# Altium PCB e-puck3-coreboard.PcbDoc (part 7 of 7)
Units mm, origin at the board's own origin, x right, y up, seen from the top; angles counter-clockwise.
Board outline 42.5 x 39.5 mm, 10 copper layers (Top Layer, Top GND Plane, Top Mid Layer 1, Top Mid Layer 2, Mid GND Plane, Bot Mid Layer 3, Bot Mid Layer 2, Bot Mid Layer 1, Bot GND Plane, Bottom Layer), stack 1.366 mm thick; 292 components, 337 nets, 1581 pads, 7018 vias.
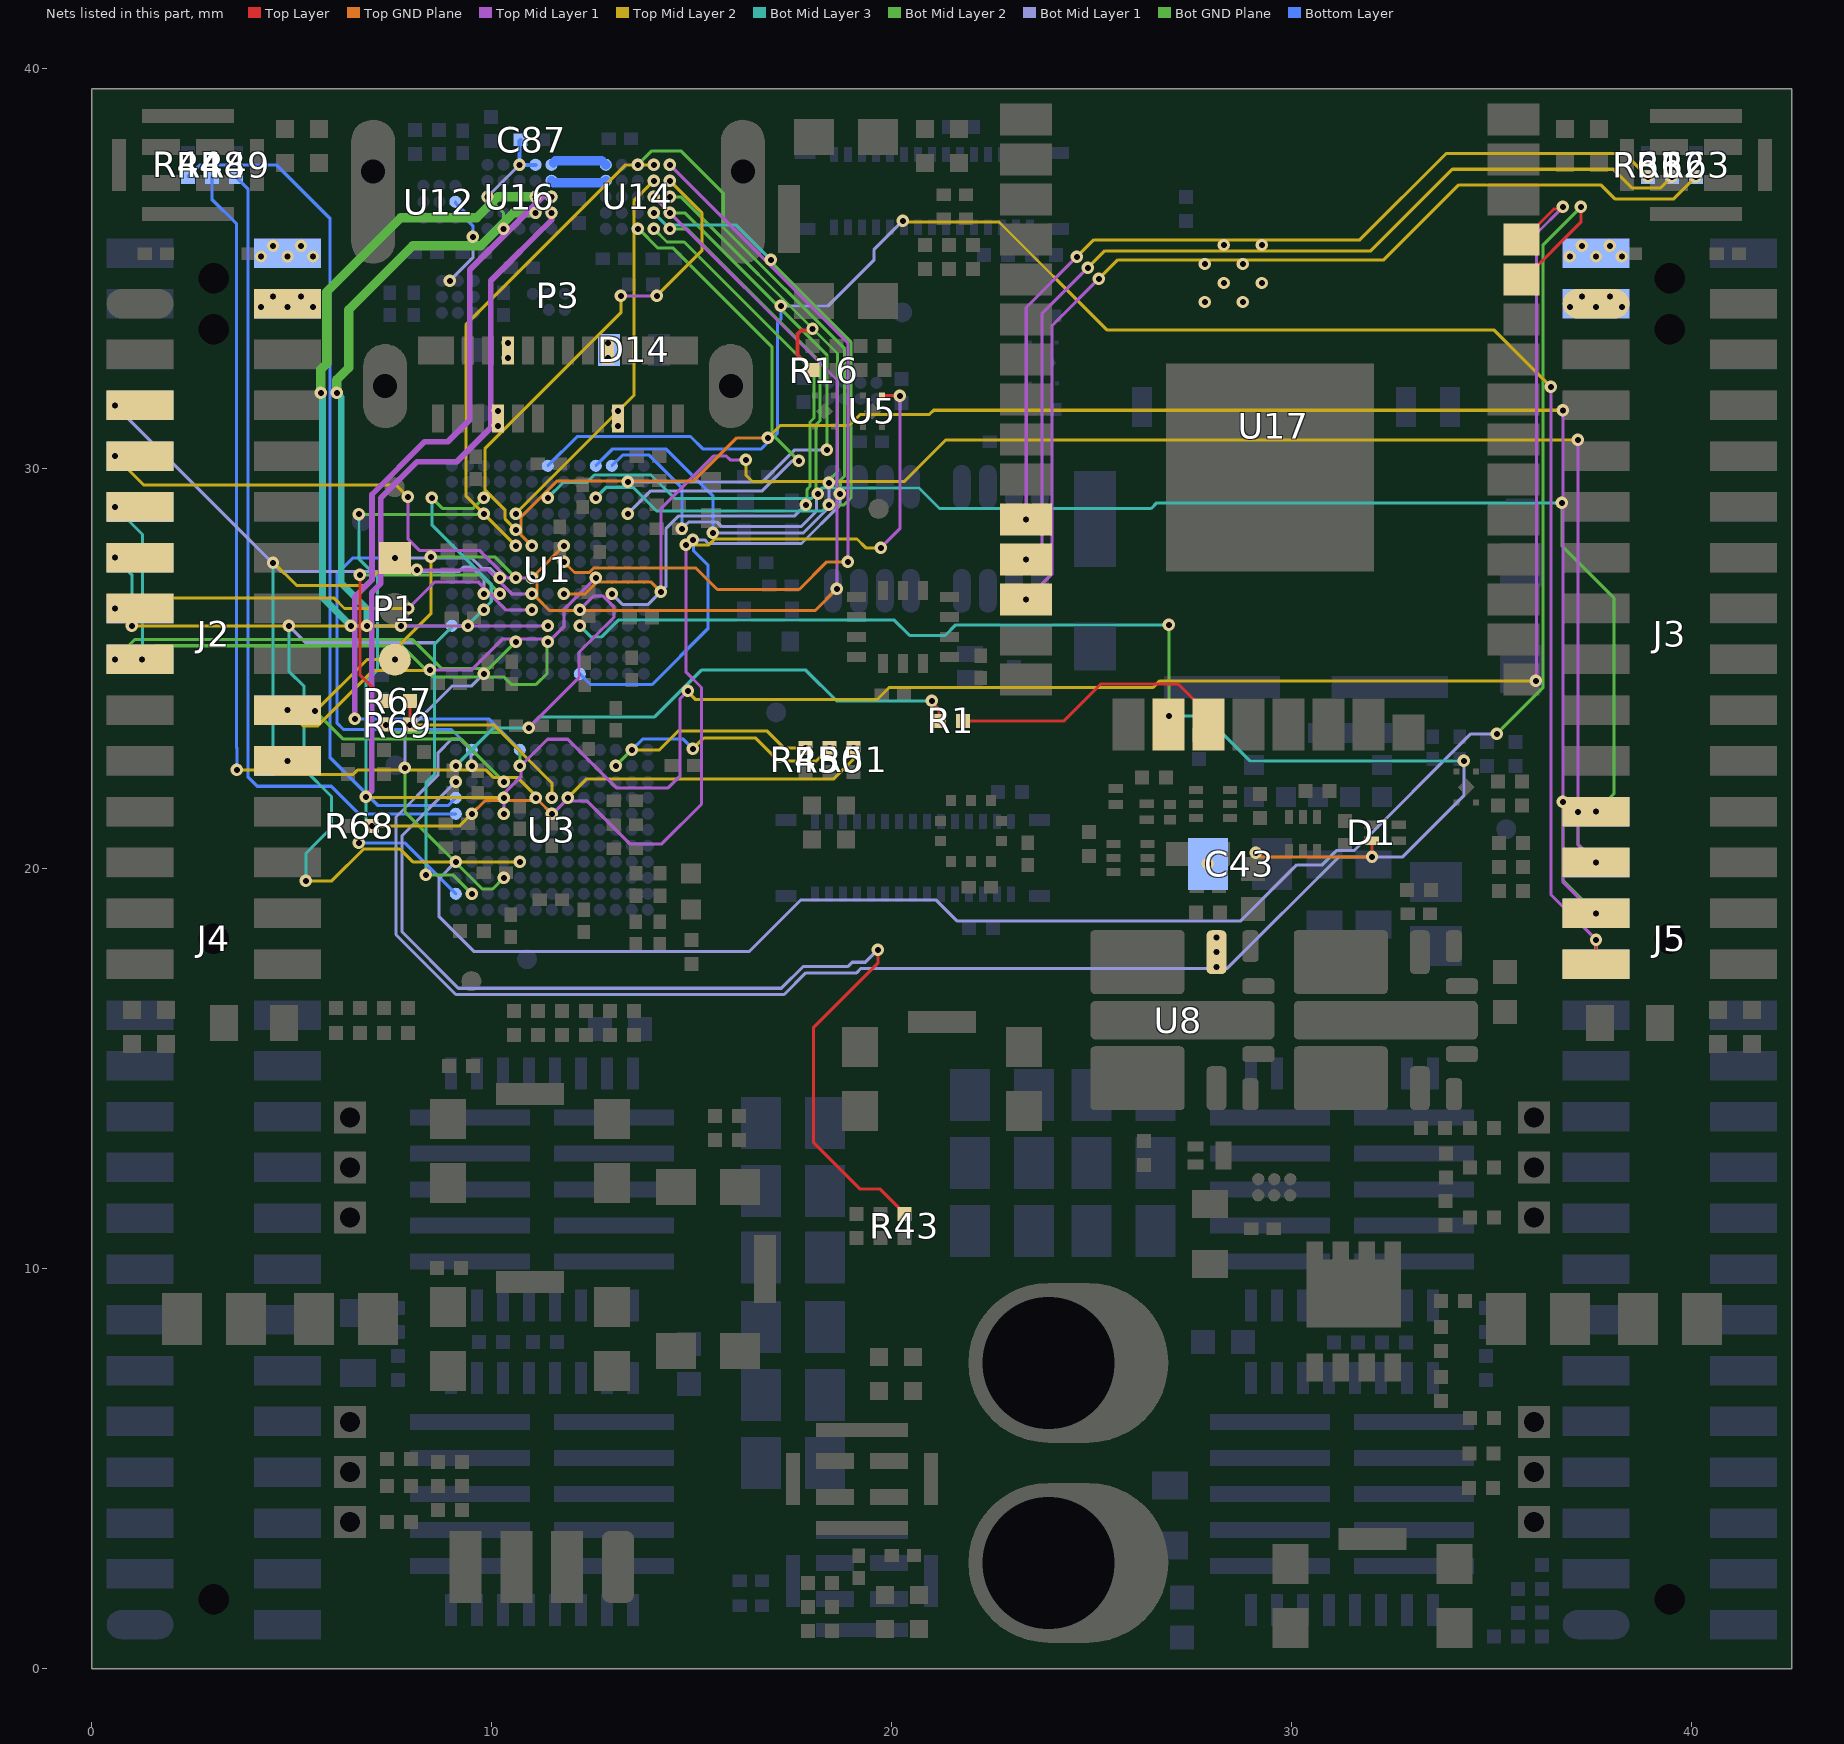
[diagram p15: the nets of this part, all layers, seen from the top]

## Via types
v1: diameter 0.304, hole 0.15, Bot GND Plane to Bottom Layer, 1160 vias
v2: diameter 0.304, hole 0.15, Bot Mid Layer 1 to Bot GND Plane, 1106 vias
v3: diameter 0.304, hole 0.15, Bot Mid Layer 2 to Bot Mid Layer 1, 1042 vias
v4: diameter 0.304, hole 0.15, Bot Mid Layer 3 to Bot Mid Layer 2, 765 vias
v5: diameter 0.304, hole 0.15, Mid GND Plane to Bot Mid Layer 3, 706 vias
v6: diameter 0.304, hole 0.15, Top Mid Layer 2 to Mid GND Plane, 706 vias
v7: diameter 0.304, hole 0.15, Top Mid Layer 1 to Top Mid Layer 2, 585 vias
v8: diameter 0.304, hole 0.15, Top GND Plane to Top Mid Layer 1, 493 vias
v9: diameter 0.304, hole 0.15, Top Layer to Top GND Plane, 343 vias
v10: diameter 0.304/0.15/0.15/0.15/0.15/0.15/0.15/0.15/0.15/0.304 (per signal layer), hole 0.15, Top Layer to Bottom Layer, 39 vias
v11: diameter 0.304/0.304/0.15/0.15/0.304/0.15/0.15/0.15/0.304/0.304 (per signal layer), hole 0.15, Top Layer to Bottom Layer, 38 vias
v12: diameter 0.304/0.15/0.304/0.15/0.304/0.304/0.15/0.15/0.304/0.304 (per signal layer), hole 0.15, Top Layer to Bottom Layer, 10 vias
v13: diameter 0.304/0.304/0.15/0.15/0.15/0.15/0.15/0.15/0.15/0.304 (per signal layer), hole 0.15, Top Layer to Bottom Layer, 8 vias
v14: diameter 0.304/0.304/0.15/0.15/0.304/0.15/0.15/0.15/0.15/0.304 (per signal layer), hole 0.15, Top Layer to Bottom Layer, 4 vias
v15: diameter 0.304/0.304/0.15/0.15/0.304/0.15/0.15/0.15/0.304/0.15 (per signal layer), hole 0.15, Top Layer to Bottom Layer, 4 vias
v16: diameter 0.304/0.15/0.304/0.304/0.304/0.304/0.15/0.304/0.304/0.304 (per signal layer), hole 0.15, Top Layer to Bottom Layer, 2 vias
v17: diameter 0.304/0.15/0.15/0.15/0.304/0.15/0.15/0.15/0.304/0.304 (per signal layer), hole 0.15, Top Layer to Bottom Layer, 2 vias
v18: diameter 0.304/0.15/0.15/0.15/0.15/0.15/0.15/0.304/0.15/0.304 (per signal layer), hole 0.15, Top Layer to Bottom Layer, 1 vias
v19: diameter 0.304/0.15/0.304/0.15/0.15/0.304/0.15/0.15/0.15/0.304 (per signal layer), hole 0.15, Top Layer to Bottom Layer, 1 vias
v20: diameter 0.304/0.15/0.15/0.15/0.304/0.15/0.15/0.15/0.15/0.304 (per signal layer), hole 0.15, Top Layer to Bottom Layer, 1 vias
v21: diameter 0.304/0.15/0.15/0.15/0.15/0.15/0.304/0.15/0.15/0.304 (per signal layer), hole 0.15, Top Layer to Bottom Layer, 1 vias
v22: diameter 0.304/0.15/0.304/0.15/0.15/0.15/0.15/0.15/0.15/0.304 (per signal layer), hole 0.15, Top Layer to Bottom Layer, 1 vias

## Nets (pads, with @x,y where several pads share a name; then routed paths per layer and width w, separated by ;. In a path a pad name is that pad's centre, name@x,y a point inside that pad or via, vN(x,y) a via of type N, cw(c..) or ccw(c..) an arc to the next point about the centre after c; other vN are vias at no path point) (continued)
STATUS1_RGB.R_1: R43.1 U3.A3 | length 25.7
  Top Layer w0.077: v8(19.65,17.975) 19.65,17.643 18.046,16.038 18.046,13.154 19.2,12 19.695,12 R43.1@20.32,11.375
  Bot Mid Layer 1 w0.077: v2(9.1,22.175) 7.758,20.833 7.758,18.419 9.164,17.013 17.238,17.013 17.778,17.553 18.896,17.553 19.007,17.665 19.34,17.665 v8(19.65,17.975)
  other v1: 9.1,22.175
  other v3: 19.65,17.975
  other v4: 19.65,17.975
  other v5: 19.65,17.975
  other v6: 19.65,17.975
  other v7: 19.65,17.975
  other v9: 19.65,17.975
STATUS2_RGB.B_1: R49.1 U3.A5 | length 20.7
  Bottom Layer w0.077: R49.1@3.6,37.3 3.9,37 3.9,22.3 4.137,22.063 5.987,22.063 6.675,21.375 U3.A5@9.1,21.375
STATUS2_RGB.G_1: R48.1 U3.F4 | length 23
  Top Mid Layer 2 w0.077: v4(3.625,22.475) 3.632,22.468 4.49,22.468 4.604,22.354 6.525,22.354 6.639,22.468 9.857,22.468 10.039,22.286 10.639,22.286 11.1,21.825 v4(11.1,21.775)
  Bottom Layer w0.077: R48.1@3,37.3 3,36.74 3.62,36.12 3.62,23.024 3.625,23.018 v4(3.625,22.475)
  other v1: 11.1,21.775 3.625,22.475
  other v2: 11.1,21.775 3.625,22.475
  other v3: 11.1,21.775 3.625,22.475
  other v5: 11.1,21.775 3.625,22.475
  other v6: 11.1,21.775 3.625,22.475
STATUS2_RGB.R_1: R44.1 U3.A4 | length 21.4
  Bottom Layer w0.077: R44.1@2.4,37.3 2.69,37.59 4.627,37.59 5.95,36.267 5.95,22.79 7.16,21.58 8.905,21.58 U3.A4@9.1,21.775
STATUS3_RGB.B_1: R51.1 U3.H4 | length 7.8
  Top Mid Layer 2 w0.077: v4(11.9,21.775) 12.375,22.25 18.55,22.25 19.04,22.74 v9(19.04,23.025)
  other v1: 11.9,21.775
  other v2: 11.9,21.775
  other v3: 11.9,21.775
  other v5: 11.9,21.775
  other v6: 11.9,21.775
  other v7: 19.04,23.025
  other v8: 19.04,23.025
STATUS3_RGB.G_1: R50.1 U3.M1 | length 5.6
  Bot Mid Layer 1 w0.077: v3(15.025,23) v2@15.029,23
  Top Mid Layer 2 w0.077: v3(15.025,23) 15.3,23.275 16.588,23.275 17.163,22.7 18.115,22.7 v9(18.44,23.025)
  Bottom Layer w0.077: U3.M1@13.5,22.975 13.767,23.242 14.783,23.242 v3(15.025,23)
  other v1: 15.025,23
  other v2: 15.025,23
  other v4: 15.025,23
  other v5: 15.025,23
  other v6: 15.025,23
  other v7: 18.44,23.025
  other v8: 18.44,23.025
STATUS3_RGB.R_1: R45.1 U3.L2 | length 5.3
  Bot Mid Layer 2 w0.077: v3(13.1,22.575) v4(13.5,22.975)
  Top Mid Layer 2 w0.077: v4(13.5,22.975) 14.19,22.975 14.665,23.45 16.875,23.45 17.3,23.025 v9(17.84,23.025)
  other v1: 13.1,22.575
  other v2: 13.1,22.575
  other v5: 13.5,22.975
  other v6: 13.5,22.975
  other v7: 17.84,23.025
  other v8: 17.84,23.025
STATUS4_RGB.B_1: R63.1 U17.13 | length 25
  Top Mid Layer 1 w0.077: v9(23.36,26.73) 24.008,27.377 24.008,33.583 v7(25.175,34.75)
  Top Mid Layer 2 w0.077: v7(25.175,34.75) 25.65,35.225 32.3,35.225 34.175,37.1 37.725,37.1 38.075,36.75 39.55,36.75 v3(40.1,37.3)
  other v1: 40.1,37.3
  other v2: 40.1,37.3
  other v4: 40.1,37.3
  other v5: 40.1,37.3
  other v6: 40.1,37.3
  other v8: 23.36,26.73
STATUS4_RGB.G_1: R62.1 U17.12 | length 23.9
  Top Mid Layer 1 w0.077: v9(23.36,27.73) 23.75,28.12 23.75,33.875 v7(24.9,35.025)
  Top Mid Layer 2 w0.077: v7(24.9,35.025) 25.325,35.45 31.975,35.45 34.014,37.489 38.036,37.489 38.5,37.025 39.225,37.025 v3(39.5,37.3)
  other v1: 39.5,37.3
  other v2: 39.5,37.3
  other v4: 39.5,37.3
  other v5: 39.5,37.3
  other v6: 39.5,37.3
  other v8: 23.36,27.73
STATUS4_RGB.R_1: R61.1 U17.11 | length 22.7
  Top Mid Layer 1 w0.077: v9(23.36,28.73) 23.36,34.035 v7(24.625,35.3)
  Top Mid Layer 2 w0.077: v7(24.625,35.3) 25.05,35.725 31.7,35.725 33.853,37.878 38.322,37.878 v3(38.9,37.3)
  other v1: 38.9,37.3
  other v2: 38.9,37.3
  other v4: 38.9,37.3
  other v5: 38.9,37.3
  other v6: 38.9,37.3
  other v8: 23.36,28.73
SWD_prog.SWCLK_1: P1.1 U1.G4 U3.B1 | length 11.8
  Bot Mid Layer 1 w0.077: v9(7.575,27.77) 9.501,27.77 9.764,27.507 9.968,27.507 v2(10.2,27.275)
  Bottom Layer w0.077: v9(7.575,27.77) 6.52,27.77 6.125,27.375 6.125,23.65 6.292,23.483 8.992,23.483 U3.B1@9.5,22.975
  other v1: 10.2,27.275 7.575,27.77
  other v2: 7.575,27.77
  other v3: 7.575,27.77
  other v4: 7.575,27.77
  other v5: 7.575,27.77
  other v6: 7.575,27.77
  other v7: 7.575,27.77
  other v8: 7.575,27.77
SWD_prog.SWDIO_1: P1.3 U1.G5 U3.D3 | length 13.3
  Bot Mid Layer 2 w0.077: v4(5.575,23.95) 6.275,23.25 9.225,23.25 v3(10.3,22.175) ; v4(8.475,27.8) 10.075,27.8 v3(10.6,27.275)
  Top Mid Layer 2 w0.077: v4(5.575,23.95) 5.6,23.95 6.88,25.23 v9(7.575,25.23) 7.575,25.475 8.475,26.375 v4(8.475,27.8)
  other v1: 10.3,22.175 10.6,27.275
  other v2: 10.3,22.175 10.6,27.275
  other v5: 5.575,23.95 8.475,27.8
  other v6: 5.575,23.95 8.475,27.8
  other v7: 7.575,25.23
  other v8: 7.575,25.23
SWD_uC.SWCLK_1: U1.A3 U3.D9 | length 7.9
  Bot Mid Layer 2 w0.077: v3(7.825,22.525) 7.825,21.428 9.757,19.497 10.022,19.497 v3(10.3,19.775)
  Bot Mid Layer 1 w0.077: v3(7.825,22.525) 7.825,23.382 9.018,24.575 9.5,24.575 v2(9.8,24.875)
  other v1: 10.3,19.775 9.8,24.875
  other v2: 10.3,19.775
SWD_uC.SWDIO_1: U1.D2 U3.E8 | length 17.7
  Bot Mid Layer 1 w0.077: v4(4.925,26.075) 5.348,25.652 8.604,25.652 9.027,26.075 v2(9.4,26.075)
  Top Mid Layer 2 w0.077: v6(5.35,19.7) 6,19.7 6.793,20.493 7.707,20.493 8.025,20.175 v4(10.7,20.175)
  Bot Mid Layer 3 w0.077: v4(4.925,26.075) 4.925,24.94 5.307,24.557 5.307,22.493 5.994,21.806 5.994,21.028 5.35,20.384 v6(5.35,19.7)
  other v1: 10.7,20.175 9.4,26.075
  other v2: 10.7,20.175
  other v3: 10.7,20.175 4.925,26.075
  other v5: 5.35,19.7 10.7,20.175
  other v6: 10.7,20.175
UART2_ESP32.RX_1: U1.D9 U3.B2 U17.17 | length 62.1
  Bot Mid Layer 2 w0.077: v9(26.925,23.825) v4(26.925,26.1)
  Bot Mid Layer 1 w0.077: v2(9.5,22.575) 9.483,22.592 9.483,22.965 9.209,23.239 8.991,23.239 8.657,22.905 8.657,22.35 7.604,21.297 7.604,18.356 9.101,16.859 17.309,16.859 17.849,17.399 19.121,17.399 19.232,17.511 28.389,17.511 31.178,20.3 32.775,20.3 34.3,21.825 v4(34.3,22.7)
  Bot Mid Layer 3 w0.077: v4(12.2,26.075) 12.475,25.8 12.747,25.8 13.164,26.217 20.065,26.217 20.45,25.832 21.332,25.832 21.6,26.1 v4(26.925,26.1) ; v9(26.925,23.825) 27.825,23.825 28.95,22.7 v4(34.3,22.7)
  other v1: 9.5,22.575 12.2,26.075
  other v2: 12.2,26.075
  other v3: 34.3,22.7 12.2,26.075
  other v4: 26.925,23.825
  other v5: 26.925,23.825
  other v6: 26.925,23.825
  other v7: 26.925,23.825
  other v8: 26.925,23.825
UART2_ESP32.TX_1: R1.2 U17.18 | length 7.1
  Top Layer w0.077: R1.2@21.775,23.7 24.305,23.7 25.225,24.62 27.16,24.62 27.92,23.86 U17.18@27.92,23.61
UART4.RX_1: J2.18 J4.38 U1.G10 | length 9.7
  Top Mid Layer 1 w0.077: v7(8.45,24.975) 9.5,24.975 10.275,25.75 11.5,25.75 11.8,26.05 11.8,26.475 v4(12.6,27.275)
  Top Mid Layer 2 w0.077: v9(4.892,23.965) 5.282,23.575 5.65,23.575 7.037,24.963 8.437,24.963 v7(8.45,24.975)
  other v1: 4.892,23.965 12.6,27.275
  other v2: 4.892,23.965 12.6,27.275
  other v3: 4.892,23.965 12.6,27.275
  other v4: 4.892,23.965
  other v5: 4.892,23.965 12.6,27.275
  other v6: 4.892,23.965 12.6,27.275
  other v7: 4.892,23.965 12.6,27.275
  other v8: 4.892,23.965
UART4.TX_1: J2.20 J4.36 U1.F6 | length 12.2
  Top Mid Layer 1 w0.077: v7(8.125,27.475) 9.9,27.475 10.5,26.875 v4(11,26.875)
  Top Mid Layer 2 w0.077: v6@4.55,27.653 5.121,27.082 6.811,27.082 7.203,27.475 v7(8.125,27.475)
  Bot Mid Layer 3 w0.077: v6(4.533,27.65) 4.533,23.054 v3(4.892,22.695)
  other v1: 4.892,22.695 11,26.875
  other v2: 4.892,22.695 11,26.875
  other v3: 11,26.875
  other v4: 4.892,22.695
  other v5: 4.892,22.695 11,26.875 4.533,27.65
  other v6: 4.892,22.695 11,26.875
  other v7: 4.892,22.695 11,26.875
  other v8: 4.892,22.695
  other v9: 4.892,22.695
UART5_uC.RX_1: R1.1 U1.E9 U3.A2 | length 18.8
  Top Layer w0.077: v7(21,24.2) 21,24.166 21.175,23.991 R1.1@21.175,23.7
  Top Mid Layer 1 w0.077: v7(10.925,23.525) 12.175,24.775 12.175,25.406 13.05,26.281 13.05,26.55 12.775,26.825 12.55,26.825 v4(12.2,26.475)
  Bot Mid Layer 3 w0.077: v3(9.1,22.575) 10.05,23.525 v7(10.925,23.525) 11.2,23.8 14.072,23.8 15.239,24.968 17.85,24.968 18.618,24.2 v7(21,24.2)
  other v1: 9.1,22.575 12.2,26.475
  other v2: 9.1,22.575 12.2,26.475
  other v3: 12.2,26.475
  other v4: 9.1,22.575
  other v5: 10.925,23.525 21,24.2 12.2,26.475
  other v6: 10.925,23.525 21,24.2 12.2,26.475
  other v7: 12.2,26.475
  other v8: 21,24.2
  other v9: 21,24.2
UART7.CTS_1: J3.25 J5.29 U1.J6 | length 44.1
  Top Mid Layer 1 w0.077: v7(36.775,31.464) v7(36.775,21.675) 36.775,19.675 37.565,18.885 v9(37.608,18.885)
  Bot Mid Layer 2 w0.077: v7(36.775,21.675) 36.775,19.719 v9(37.608,18.885)
  Top GND Plane w0.077: v8(11,28.075) 10.725,28.35 10.725,28.793 11.632,29.7 15.05,29.7 16.125,30.775 v8(16.9,30.775)
  Top Mid Layer 2 w0.077: v8(16.9,30.775) 17.209,31.084 18.934,31.084 19.207,31.357 20.94,31.357 21.046,31.464 v7(36.775,31.464)
  other v1: 37.608,18.885 11,28.075
  other v2: 37.608,18.885 11,28.075
  other v3: 37.608,18.885 11,28.075
  other v4: 36.775,21.675 11,28.075
  other v5: 36.775,21.675 11,28.075
  other v6: 36.775,21.675 11,28.075
  other v7: 11,28.075 16.9,30.775
  other v8: 37.608,18.885
UART7.RTS_1: J3.27 J5.27 U1.P7 | length 47
  Top Layer w0.077: J3.27@37.608,17.619 v9(37.608,18.225)
  Top Mid Layer 1 w0.077: v7(36.475,32.05) 36.475,19.359 v9(37.608,18.225)
  Bot Mid Layer 1 w0.077: v2(17.225,34.075) 18.413,34.075 19.55,35.212 19.55,35.475 v3(20.275,36.2)
  Top Mid Layer 2 w0.077: v6@20.303,36.173 22.678,36.173 25.375,33.475 35.05,33.475 v7(36.475,32.05)
  Bottom Layer w0.077: U1.P7@11.4,30.075 12.133,30.808 14.968,30.808 15.276,30.5 16.742,30.5 17.146,30.903 17.146,33.664 17.225,33.743 v2(17.225,34.075) ; J5.27@37.608,17.615 v9(37.608,18.225)
  other v1: 37.608,18.225 17.225,34.075
  other v2: 37.608,18.225
  other v3: 37.608,18.225
  other v4: 37.608,18.225 20.275,36.2
  other v5: 37.608,18.225 20.275,36.2
  other v6: 37.608,18.225 20.275,36.2
  other v7: 37.608,18.225
  other v8: 37.608,18.225
UART7.RX_1: J3.21 J5.33 U1.M7 | length 34.7
  Bot Mid Layer 2 w0.077: v4(36.75,29.15) 36.75,28.075 38.05,26.775 38.05,21.871 v4(37.608,21.429)
  Bot Mid Layer 3 w0.077: v3(11.4,29.275) 11.783,29.657 12.373,29.657 12.562,29.846 13.981,29.846 14.57,29.258 17.987,29.258 18.25,29.522 20.678,29.522 21.193,29.007 26.482,29.007 26.625,29.15 v4(36.75,29.15)
  other v1: 37.608,21.429 11.4,29.275
  other v2: 37.608,21.429 11.4,29.275
  other v3: 37.608,21.429
  other v4: 11.4,29.275
  other v5: 37.608,21.429
  other v6: 37.608,21.429
  other v7: 37.608,21.429
  other v8: 37.608,21.429
  other v9: 37.608,21.429
UART7.TX_1: J3.23 J5.31 U1.F8 | length 41.3
  Top Mid Layer 1 w0.077: v8(14.225,26.925) 14.225,29.003 15.539,30.318 15.868,30.318 15.96,30.225 v7(16.35,30.225) ; 37.15,20.613 v7(37.15,21.425) v7(37.15,30.725) ; 37.151,20.613 v3(37.608,20.155)
  Bot Mid Layer 2 w0.077: v7(37.15,21.425) 37.15,20.613 v3(37.608,20.155)
  Top GND Plane w0.077: v8(11.8,26.875) 12.339,26.875 12.639,27.175 13.975,27.175 v8(14.225,26.925)
  Top Mid Layer 2 w0.077: v7(16.35,30.225) 16.35,29.847 16.514,29.682 20.311,29.682 21.353,30.725 v7(37.15,30.725)
  other v1: 37.608,20.155 11.8,26.875
  other v2: 37.608,20.155 11.8,26.875
  other v3: 11.8,26.875
  other v4: 37.15,21.425 11.8,26.875
  other v5: 37.15,21.425 11.8,26.875
  other v6: 37.15,21.425 11.8,26.875
  other v7: 11.8,26.875
  other v8: 37.608,20.155
  other v9: 37.608,20.155
UART_PROG_ESP32.RX_1: U3.A8 U17.34 | length 47.5
  Top Layer w0.077: U17.34@35.74,34.73 35.79,34.73 37.225,36.165 v9(37.225,36.55)
  Bot Mid Layer 2 w0.077: v3(35.125,23.375) 36.275,24.525 36.275,35.59 37.225,36.54 v9(37.225,36.55)
  Bot Mid Layer 1 w0.077: v2(9.1,20.175) 8.682,19.757 8.682,18.802 9.547,17.937 16.441,17.937 17.728,19.225 21.1,19.225 21.625,18.7 28.725,18.7 30.125,20.1 30.761,20.1 31.115,20.454 31.554,20.454 34.475,23.375 v3(35.125,23.375)
  other v1: 9.1,20.175
  other v4: 37.225,36.55
  other v5: 37.225,36.55
  other v6: 37.225,36.55
  other v7: 37.225,36.55
  other v8: 37.225,36.55
UART_PROG_ESP32.TX_1: U3.D5 U17.35 | length 43.5
  Top Layer w0.077: U17.35@35.74,35.73 35.79,35.73 36.557,36.497 36.732,36.497 36.775,36.54 v9(36.775,36.55)
  Top Mid Layer 1 w0.077: v4(10.3,21.375) 10.3,21.875 10.725,22.3 10.725,22.573 11.391,23.238 11.901,23.238 13.114,22.025 14.407,22.025 14.707,22.325 14.707,24.258 v7(14.9,24.45) ; v7@36.118,24.718 36.118,35.882 36.775,36.54 v9(36.775,36.55)
  Top Mid Layer 2 w0.077: v7(14.9,24.45) 14.9,24.425 15.097,24.228 19.628,24.228 19.932,24.532 26.532,24.532 26.7,24.7 v7(36.1,24.7)
  other v1: 10.3,21.375
  other v2: 10.3,21.375
  other v3: 10.3,21.375
  other v5: 10.3,21.375
  other v6: 10.3,21.375
  other v7: 10.3,21.375
  other v8: 36.775,36.55
USART2.RX_1: J2.13 J4.41 U1.E6 | length 11.2
  Top Mid Layer 1 w0.077: v7(7.912,26.51) 8.578,27.175 9.65,27.175 10.35,26.475 v4(11,26.475)
  Top Mid Layer 2 w0.077: v9(0.575,26.509) 0.841,26.775 6.05,26.775 6.315,26.51 v7(7.912,26.51)
  other v1: 11,26.475 0.575,26.509
  other v2: 11,26.475 0.575,26.509
  other v3: 11,26.475 0.575,26.509
  other v4: 0.575,26.509
  other v5: 11,26.475 0.575,26.509
  other v6: 11,26.475 0.575,26.509
  other v7: 11,26.475 0.575,26.509
  other v8: 0.575,26.509
USART2.TX_1: J2.15 J4.39 U1.C5 | length 10.8
  Bot Mid Layer 2 w0.077: v9(0.575,25.239) 1.065,25.73 8.02,25.73 8.739,25.011 9.936,25.011 v3(10.6,25.675)
  other v1: 0.575,25.239 10.6,25.675
  other v2: 0.575,25.239 10.6,25.675
  other v3: 0.575,25.239
  other v4: 0.575,25.239
  other v5: 0.575,25.239
  other v6: 0.575,25.239
  other v7: 0.575,25.239
  other v8: 0.575,25.239
USART3.RX_1: U1.L3 U3.A10 | length 14.7
  Bot Mid Layer 2 w0.077: v4(6.675,28.865) 6.683,28.857 9.783,28.857 v3(9.8,28.875)
  Bot Mid Layer 3 w0.077: v4(6.675,20.65) 6.675,20.663 6.857,20.846 6.857,24.683 7.143,24.968 7.143,27.286 6.675,27.753 v4(6.675,28.865)
  Bottom Layer w0.077: v4(6.675,20.65) 7.825,20.65 U3.A10@9.1,19.375
  other v1: 6.675,20.65 9.8,28.875
  other v2: 6.675,20.65 9.8,28.875
  other v3: 6.675,20.65
USART3.TX_1: U1.M3 U3.B10 | length 13.8
  Bot Mid Layer 2 w0.077: v4(8.35,19.85) 9.025,19.85 v3(9.5,19.375) ; v4(8.5,29.275) 8.764,29.011 9.537,29.011 v3(9.8,29.275)
  Bot Mid Layer 3 w0.077: v4(8.35,19.85) 8.35,22.15 8.568,22.368 8.568,25.615 9.027,26.075 9.378,26.075 9.986,26.683 9.986,27.116 8.5,28.602 v4(8.5,29.275)
  other v1: 9.5,19.375 9.8,29.275
  other v2: 9.5,19.375 9.8,29.275
USART6.CTS_1: J2.9 J4.45 U1.C7 | length 15.7
  Bot Mid Layer 2 w0.077: v4(1.25,25.239) 1.587,25.576 7.749,25.576 8.525,24.8 10.3,24.8 10.489,24.611 11.109,24.611 11.382,24.885 11.382,25.657 v3(11.4,25.675)
  Bot Mid Layer 3 w0.077: v9(0.575,29.049) 1.268,28.356 1.268,25.257 v4(1.25,25.239)
  other v1: 11.4,25.675 0.575,29.049
  other v2: 11.4,25.675 0.575,29.049
  other v3: 0.575,29.049
  other v4: 0.575,29.049
  other v5: 0.575,29.049
  other v6: 0.575,29.049
  other v7: 0.575,29.049
  other v8: 0.575,29.049
USART6.RTS_1: J2.11 J4.43 U1.D7 | length 12.3
  Top Mid Layer 1 w0.077: v7(7.725,26.075) v4(11.4,26.075)
  Top Mid Layer 2 w0.077: v6(1,26.075) v7(7.725,26.075)
  Bot Mid Layer 3 w0.077: v9(0.575,27.779) 1,27.354 v6(1,26.075)
  other v1: 11.4,26.075 0.575,27.779
  other v2: 11.4,26.075 0.575,27.779
  other v3: 11.4,26.075 0.575,27.779
  other v4: 0.575,27.779
  other v5: 1,26.075 11.4,26.075 0.575,27.779
  other v6: 11.4,26.075 0.575,27.779
  other v7: 11.4,26.075 0.575,27.779
  other v8: 0.575,27.779
USART6.RX_1: J2.5 J4.49 U1.F3 | length 11.5
  Bot Mid Layer 1 w0.077: v3(0.575,31.589) 4.735,27.429 9.176,27.429 9.289,27.542 9.511,27.542 9.8,27.253 v2(9.8,26.875)
  other v1: 9.8,26.875 0.575,31.589
  other v2: 0.575,31.589
  other v4: 0.575,31.589
  other v5: 0.575,31.589
  other v6: 0.575,31.589
  other v7: 0.575,31.589
  other v8: 0.575,31.589
  other v9: 0.575,31.589
USART6.TX_1: J2.7 J4.47 U1.G6 | length 12.3
  Top Mid Layer 1 w0.077: v7(7.9,29.3) 7.9,28.25 8.187,27.963 9.688,27.963 10.375,27.275 v4(11,27.275)
  Top Mid Layer 2 w0.077: v9(0.575,30.319) 1.294,29.6 7.6,29.6 v7(7.9,29.3)
  other v1: 11,27.275 0.575,30.319
  other v2: 11,27.275 0.575,30.319
  other v3: 11,27.275 0.575,30.319
  other v4: 0.575,30.319
  other v5: 11,27.275 0.575,30.319
  other v6: 11,27.275 0.575,30.319
  other v7: 11,27.275 0.575,30.319
  other v8: 0.575,30.319
USB_FS.DM_1: U1.E3 U16.D2 | length 17.1
  Bot Mid Layer 2 w0.077: v4(6.875,26.075) 9.4,26.075 v3(9.8,26.475)
  Bot Mid Layer 2 w0.229: v4(6.125,31.9) 6.125,32.225 6.425,32.525 6.425,33.975 8.025,35.575 9.725,35.575 10.55,36.4 v3(11.093,36.4)
  Bot Mid Layer 3 w0.172: v4(6.125,31.9) 6.235,31.79 6.235,27.14 6.875,26.5 v4(6.875,26.075)
  other v1: 9.8,26.475 11.093,36.4
  other v2: 9.8,26.475 11.093,36.4
USB_FS.DP_1: U1.D1 U16.C2 | length 17.4
  Bot Mid Layer 2 w0.229: v4(5.725,31.9) 5.725,32.482 5.873,32.629 5.873,34.423 7.725,36.275 9.625,36.275 10.15,36.8 v3(11.093,36.8)
  Bot Mid Layer 3 w0.172: v4(5.725,31.9) 5.765,31.86 5.765,26.785 v4(6.475,26.075)
  Bottom Layer w0.077: v4(6.475,26.075) U1.D1@9,26.075
  other v1: 6.475,26.075 11.093,36.8
  other v2: 6.475,26.075 11.093,36.8
  other v3: 6.475,26.075
USB_FS.VBUS_1: R67.2 U1.F4 | length 7.2
  Top Layer w0.077: v9(6.7,27.35) 6.7,24.85 7.375,24.175 R67.2@7.45,24.175
  Bot Mid Layer 2 w0.077: v9(6.7,27.35) 9.725,27.35 v3(10.2,26.875)
  other v1: 10.2,26.875
  other v2: 10.2,26.875
  other v4: 6.7,27.35
  other v5: 6.7,27.35
  other v6: 6.7,27.35
  other v7: 6.7,27.35
  other v8: 6.7,27.35
USB_HS.CLK_1: U1.P11 U14.A5 | length 15.8
  Bot Mid Layer 2 w0.077: v3(14.45,36) 14.875,36 18.208,32.667 18.208,31.208 18.107,31.107 18.107,29.418 v3(18.15,29.375)
  Bot Mid Layer 1 w0.077: v2(14.75,28.5) 14.918,28.668 15.636,28.668 15.749,28.554 17.729,28.554 18.117,28.943 18.117,29.343 v3(18.15,29.375)
  Bottom Layer w0.077: U1.P11@13,30.075 13.267,30.342 13.933,30.342 14.75,29.525 v2(14.75,28.5)
  other v1: 14.75,28.5 14.45,36
  other v2: 14.45,36
USB_HS.DATA0_1: U1.M10 U14.B4 | length 17
  Bot Mid Layer 2 w0.077: v4@16.984,35.166 18.975,33.175 18.975,29.272 18.803,29.1 v4(18.425,29.1)
  Bot Mid Layer 3 w0.077: v3(12.6,29.275) 12.863,29.538 13.53,29.538 14.119,28.95 18.275,28.95 v4(18.425,29.1) ; v3(14.05,36.4) 14.35,36.1 16.1,36.1 v4(16.975,35.225)
  other v1: 12.6,29.275 14.05,36.4
  other v2: 12.6,29.275 14.05,36.4
  other v4: 12.6,29.275 14.05,36.4
USB_HS.DATA1_1: U1.P10 U14.C5 | length 17.4
  Bot Mid Layer 2 w0.077: v3(14.45,36.8) 14.725,36.8 18.643,32.882 18.643,29.929 18.425,29.711 v3(18.425,29.65)
  Bot Mid Layer 1 w0.077: v2(15.525,28.4) 17.793,28.4 18.425,29.032 v3(18.425,29.65)
  Bottom Layer w0.077: U1.P10@12.6,30.075 13.025,30.5 14.35,30.5 15.525,29.325 v2(15.525,28.4)
  other v1: 15.525,28.4 14.45,36.8
  other v2: 14.45,36.8
  other v4: 14.45,36.8
  other v5: 14.45,36.8
  other v6: 14.45,36.8
  other v7: 14.45,36.8
USB_HS.DATA2_1: U1.J8 U14.C4 | length 21.1
  Top Mid Layer 1 w0.077: v3(14.05,36.8) 18.629,32.221 18.629,27.004 v8(18.625,27)
  Top GND Plane w0.077: v8(11.8,28.075) 11.132,27.407 11.132,26.764 11.443,26.453 18.078,26.453 v8(18.625,27)
  other v1: 11.8,28.075 14.05,36.8
  other v2: 11.8,28.075 14.05,36.8
  other v3: 11.8,28.075
  other v4: 11.8,28.075 14.05,36.8
  other v5: 11.8,28.075 14.05,36.8
  other v6: 11.8,28.075 14.05,36.8
  other v7: 11.8,28.075 14.05,36.8
USB_HS.DATA3_1: U1.K5 U14.D5 | length 12.2
  Top Mid Layer 1 w0.077: v7(13.225,34.325) v7(14.125,34.325)
  Top Mid Layer 2 w0.077: v3(10.6,28.475) 10.332,28.742 10.332,28.986 10.314,28.986 9.825,29.475 9.825,30.5 13.225,33.9 v7(13.225,34.325) ; v7(14.125,34.325) 15.25,35.45 15.25,36.4 v3(14.45,37.2)
  other v1: 10.6,28.475 14.45,37.2
  other v2: 10.6,28.475 14.45,37.2
  other v4: 10.6,28.475 14.45,37.2
  other v5: 10.6,28.475 14.45,37.2
  other v6: 10.6,28.475 14.45,37.2
  other v7: 14.45,37.2
USB_HS.DATA4_1: U1.L5 U14.D4 | length 9.8
  Top Mid Layer 2 w0.077: v4(10.6,28.875) 10.6,28.883 13.55,31.833 13.55,36.7 v3(14.05,37.2)
  other v1: 10.6,28.875 14.05,37.2
  other v2: 10.6,28.875 14.05,37.2
  other v3: 10.6,28.875
  other v4: 14.05,37.2
  other v5: 10.6,28.875 14.05,37.2
  other v6: 10.6,28.875 14.05,37.2
  other v7: 14.05,37.2
USB_HS.DATA5_1: U1.H8 U14.E5 | length 19.5
  Top Mid Layer 1 w0.077: v3(14.45,37.6) 18.9,33.15 v8(18.9,27.675)
  Top GND Plane w0.077: v8(11.8,27.675) 12.067,27.407 12.436,27.407 12.549,27.521 15.099,27.521 15.638,26.982 17.682,26.982 18.375,27.675 v8(18.9,27.675)
  other v1: 11.8,27.675 14.45,37.6
  other v2: 11.8,27.675 14.45,37.6
  other v3: 11.8,27.675
  other v4: 11.8,27.675 14.45,37.6
  other v5: 11.8,27.675 14.45,37.6
  other v6: 11.8,27.675 14.45,37.6
  other v7: 11.8,27.675 14.45,37.6
USB_HS.DATA6_1: U1.J5 U14.E4 | length 12.5
  Top Mid Layer 2 w0.077: v3(10.6,28.075) 9.35,29.325 9.35,33.6 13.35,37.6 v3(14.05,37.6)
  Bot Mid Layer 3 w0.077: v5@10.539,28.075 v3(10.6,28.075)
  other v1: 10.6,28.075 14.05,37.6
  other v2: 10.6,28.075 14.05,37.6
  other v4: 10.6,28.075 14.05,37.6
  other v5: 10.6,28.075 14.05,37.6
  other v6: 10.6,28.075 14.05,37.6
  other v7: 14.05,37.6
USB_HS.DATA7_1: U1.A9 U14.E3 | length 22.2
  Bot Mid Layer 2 w0.077: v3(13.65,37.6) 14,37.95 14.725,37.95 15.787,36.888 15.787,36.035 18.821,33.001 18.821,29.821 18.722,29.722 18.722,29.397 v3(18.7,29.375)
  Bot Mid Layer 1 w0.077: v2(15.025,28.225) 15.322,28.225 15.414,28.133 17.743,28.133 18.7,29.089 v3(18.7,29.375)
  Bottom Layer w0.077: U1.A9@12.2,24.875 12.468,24.607 14.007,24.607 15.4,26 15.4,27.594 15.037,27.958 15.037,28.213 v2(15.025,28.225)
  other v1: 15.025,28.225 13.65,37.6
  other v2: 13.65,37.6
USB_HS.DIR_1: U1.F11 U14.A4 | length 15.7
  Bot Mid Layer 2 w0.077: v3(14.05,36) 14.379,35.672 14.807,35.672 18.054,32.424 18.054,31.272 17.953,31.171 17.953,29.557 17.882,29.486 17.882,29.132 v3(17.85,29.1)
  Bot Mid Layer 1 w0.077: v2(13,26.875) 13.263,26.611 13.911,26.611 14.35,27.05 14.35,28.5 14.675,28.825 17.575,28.825 v3(17.85,29.1)
  other v1: 13,26.875 14.05,36
  other v2: 14.05,36
USB_HS.NXT_1: U1.N12 U14.B5 | length 13.1
  Bot Mid Layer 2 w0.077: v3(14.45,36.4) 14.825,36.4 18.375,32.85 v3(18.375,30.475)
  Bot Mid Layer 1 w0.077: v2(13.4,29.675) 16.772,29.675 17.572,30.475 v3(18.375,30.475)
  other v1: 13.4,29.675 14.45,36.4
  other v2: 14.45,36.4
USB_HS.STP_1: U1.L12 U14.A3 | length 12.5
  Bot Mid Layer 2 w0.077: v3(13.65,36) 13.672,36 14.154,35.518 14.536,35.518 17,33.053 17,30.875 v3(17.675,30.2)
  Bot Mid Layer 1 w0.077: v2(13.4,28.875) 13.975,29.45 16.764,29.45 17.514,30.2 v3(17.675,30.2)
  other v1: 13.4,28.875 13.65,36
  other v2: 13.65,36
USB_HS_DM_7: U14.D1 U16.B1 | length 1.4
  Bottom Layer w0.234: U16.B1@11.493,37.2 11.543,37.15 12.8,37.15 U14.D1@12.85,37.2
USB_HS_DP_7: U14.E1 U16.A1 | length 1.4
  Bottom Layer w0.234: U16.A1@11.543,37.65 11.593,37.7 12.75,37.7 U14.E1@12.85,37.6
USB_PROG.DM_1: U3.D4 U16.D1 | length 20.5
  Top Mid Layer 1 w0.145: v7(6.85,21.8) 6.998,21.948 6.998,26.908 7.224,27.133 7.224,29.268 8.131,30.175 9.125,30.175 9.975,31.025 9.975,34.7 11.493,36.218 v3(11.493,36.4)
  Top Mid Layer 2 w0.077: v7(6.85,21.8) 6.863,21.788 10.262,21.788 v6@10.275,21.8
  other v1: 10.3,21.775 11.493,36.4
  other v2: 10.3,21.775 11.493,36.4
  other v3: 10.3,21.775
  other v4: 10.3,21.775 11.493,36.4
  other v5: 10.3,21.775 11.493,36.4
  other v6: 10.3,21.775 11.493,36.4
  other v7: 11.493,36.4
USB_PROG.DP_1: U3.E1 U16.C1 | length 20
  Top Mid Layer 1 w0.145: v3(6.575,23.75) 6.575,26.799 7.002,27.225 7.002,29.36 8.317,30.675 8.9,30.675 9.45,31.225 9.45,34.975 11.275,36.8 v3(11.493,36.8)
  Bottom Layer w0.077: v3(6.575,23.75) 9.925,23.75 U3.E1@10.7,22.975
  other v1: 6.575,23.75 11.493,36.8
  other v2: 6.575,23.75 11.493,36.8
  other v4: 6.575,23.75 11.493,36.8
  other v5: 6.575,23.75 11.493,36.8
  other v6: 6.575,23.75 11.493,36.8
  other v7: 6.575,23.75 11.493,36.8
USB_PROG.VBUS_1: R69.2 U3.E2 | length 4
  Bot Mid Layer 2 w0.077: v9(7.35,23.6) 7.375,23.6 7.571,23.404 10.244,23.404 10.7,22.948 v3(10.7,22.575)
  other v1: 10.7,22.575
  other v2: 10.7,22.575
  other v4: 7.35,23.6
  other v5: 7.35,23.6
  other v6: 7.35,23.6
  other v7: 7.35,23.6
  other v8: 7.35,23.6
VBUS: C43.1 D1.1 D14.1 J2.2 J3.1 J4.54 J4.56 J5.53 J5.55 P3.A4 P3.A9 P3.B4 P3.B9 R16.1 U8.2 U12.A2 | length 7.3
  Top Layer w0.077: v9@17.954,33.5 v9(18.015,33.5) ; D1.1@32,20.7 32.005,20.695 v9(32.005,20.3)
  Top Layer w0.1: R16.1@18.015,32.467 17.641,32.841 17.641,33.366 17.736,33.461 17.976,33.461 v9(18.015,33.5)
  Top GND Plane w0.077: v8(29.1,20.4) 29.2,20.3 v9(32.005,20.3)
  Bot Mid Layer 1 w0.077: v8(8.95,34.7) 9.525,35.275 v1(9.525,35.8)
  Bottom Layer w0.077: U12.A2@9.089,36.675 9.089,36.653 9.375,36.367 9.375,36.231 9.525,36.081 v1(9.525,35.8)
  other v1: 27.9,20.125 4.233,35.31 4.892,35.31 5.533,35.31 36.95,35.31 37.608,35.31 38.25,35.31 4.533,35.575 5.233,35.575 37.25,35.575 37.95,35.575
  other v2: 27.9,20.125 4.233,35.31 4.892,35.31 5.533,35.31 36.95,35.31 37.608,35.31 38.25,35.31 4.533,35.575 5.233,35.575 37.25,35.575 37.95,35.575 9.525,35.8
  other v3: 27.9,20.125 8.95,34.7 4.233,35.31 4.892,35.31 5.533,35.31 36.95,35.31 37.608,35.31 38.25,35.31 4.533,35.575 5.233,35.575 37.25,35.575 37.95,35.575
  other v4: 27.9,20.125 8.95,34.7 4.233,35.31 4.892,35.31 5.533,35.31 36.95,35.31 37.608,35.31 38.25,35.31 4.533,35.575 5.233,35.575 37.25,35.575 37.95,35.575
  other v5: 27.9,20.125 8.95,34.7 4.233,35.31 4.892,35.31 5.533,35.31 36.95,35.31 37.608,35.31 38.25,35.31 4.533,35.575 5.233,35.575 37.25,35.575 37.95,35.575 9.525,35.8
  other v6: 27.9,20.125 8.95,34.7 4.233,35.31 4.892,35.31 5.533,35.31 36.95,35.31 37.608,35.31 38.25,35.31 4.533,35.575 5.233,35.575 37.25,35.575 37.95,35.575 9.525,35.8
  other v7: 27.9,20.125 8.95,34.7 4.233,35.31 4.892,35.31 5.533,35.31 36.95,35.31 37.608,35.31 38.25,35.31 4.533,35.575 5.233,35.575 37.25,35.575 37.95,35.575 9.525,35.8
  other v8: 28.115,17.54 28.115,17.915 28.115,18.285 27.825,34.172 28.775,34.172 28.3,34.647 29.25,34.647 27.825,35.122 28.775,35.122 4.233,35.31 4.892,35.31 5.533,35.31 36.95,35.31 37.608,35.31 38.25,35.31 4.533,35.575 5.233,35.575 37.25,35.575 37.95,35.575 28.3,35.597 29.25,35.597 9.525,35.8
  other v9: 28.115,17.54 28.115,17.915 28.115,18.285 10.15,31.075 13.15,31.075 10.15,31.45 13.15,31.45 10.4,32.775 10.4,33.15
  other v11: 4.233,34.04 4.892,34.04 5.533,34.04 36.95,34.04 37.608,34.04 38.25,34.04 4.533,34.305 5.233,34.305 37.25,34.305 37.95,34.305
  other v13: 12.9,32.775 12.9,33.15
VBUS_DEVICES_1: R67.1 R69.1 U3.G4 | length 5.1
  Top Layer w0.077: v9(7.95,23.6) 7.95,24.075 R67.1@8.05,24.175
  Top Mid Layer 2 w0.077: v9(7.95,23.6) 10.048,23.6 11.5,22.148 v4(11.5,21.775)
  other v1: 11.5,21.775
  other v2: 11.5,21.775
  other v3: 11.5,21.775
  other v5: 11.5,21.775
  other v6: 11.5,21.775
  other v7: 7.95,23.6
  other v8: 7.95,23.6
VBUS_HOST_1: R68.1 U3.G5 U5.1 | length 25.8
  Top Layer w0.077: U5.1@19.754,31.831 U5.1@19.757,31.828 ; U5.1@19.761,31.824 U5.1@19.757,31.828 ; v9@20.183,31.824 v9@20.19,31.817 ; v8(20.2,31.825) 20.197,31.828 U5.1@19.757,31.828
  Top Mid Layer 1 w0.077: v7(11.5,21.375) 11.522,21.375 11.847,21.7 12.375,21.7 13.45,20.625 14.25,20.625 15.243,21.618 15.243,24.532 14.85,24.925 v7(14.85,28.1) ; v7(19.725,28.025) 20.2,28.5 v8(20.2,31.825)
  Top GND Plane w0.077: v8(9.5,21.375) 9.833,21.708 11.167,21.708 v7(11.5,21.375)
  Top Mid Layer 2 w0.077: v9(7,21.075) 9.2,21.075 v8(9.5,21.375) ; v7(14.85,28.1) 15.425,28.1 15.572,28.247 19.128,28.247 19.35,28.025 v7(19.725,28.025)
  other v1: 11.5,21.375
  other v2: 11.5,21.375
  other v3: 11.5,21.375
  other v4: 11.5,21.375
  other v5: 11.5,21.375
  other v6: 11.5,21.375
  other v7: 7,21.075 9.5,21.375
  other v8: 7,21.075 11.5,21.375
  other v9: 20.2,31.825
VDD33_BYP_7: C87.1 U16.A2 U16.A3 U16.C5 U16.E4 | length 3.1
  Bot Mid Layer 1 w0.077: v2(9.893,36.8) v2(10.693,37.6)
  Bot GND Plane w0.077: v2(9.893,36.8) 10.293,36.4 v1(10.293,36)
  Bottom Layer w0.1: C87.1@10.72,38.225 10.693,38.198 v2(10.693,37.6) U16.A2@11.093,37.6
  other v1: 9.893,36.8 10.693,37.6
pads on no net: J2.61 J2.62 J3.61 J3.62 J4.61 J4.62 J5.61 J5.62 P3.A2 P3.A3 P3.A8 P3.A10 P3.A11 P3.B2 P3.B3 P3.B8 P3.B10 P3.B11 P4.3 P4.4 P4.27 P5.4 P5.27 T4.3 T4.4 T4.5 U1.A1 U1.A2 U1.A12 U1.A13 U1.B1 U1.B13 U1.D13 U1.E4 U1.E12 U1.E13 U1.G3 U1.H1 U1.H2 U1.H3 U1.H4 U1.J1 U1.J2 U1.K13 U1.N1 U1.N13 U1.P1 U1.P2 U1.P12 U1.P13 U3.A7 U3.B11 U3.D10 U3.D11 U3.E11 U3.H1 U3.H10 U3.N7 U4.B1 U4.C1 U8.4 U8.5 U8.6 U8.7 U10.4 U10.5 U10.6 U10.7 U11_1.17 U11_2.17 U11_3.17 U11_4.17 U12.B1 U13.C1 U17.4 U17.5 U17.6 U17.7 U17.9 U17.14 U17.19 U17.20 U17.21 U17.22 U17.23 U17.24 U17.27 U17.28 U17.32 U18.7 U18.8 U19.8 U20.10 U20.11 U21.8 X2.1
copper on no net: | length 0.1
  Top Layer w0.077: 25.429,19.922 25.473,19.922 25.548,19.922
  other v7: 7.925,26.975

## Polygon pours and split planes (outlines as drawn)
GND on Top GND Plane "Power-GND" (solid, pour order 5): 42.5,36.1 0,36.1 0,30.675 0,6.865 7.15,6.865 7.15,3.257 10.95,3.257 18.791,4.589 21.094,10.273 27.621,10.273 31.779,3.257 35.35,3.257 35.35,6.865 42.5,6.873
BAT- on Top GND Plane "POWER-BAT-" (solid, pour order 6): 6.89,6.55 6.89,2.961 6.9,2.951 10.974,2.951 19.007,4.288 20.05,6.871 21.3,9.967 27.447,9.967 30.225,5.265 31.591,2.953 35.649,2.969 35.649,6.547 42.502,6.547 42.5,0 0,0 -0.008,6.547
3V on Top GND Plane "GND-3V" (solid, pour order 102): 0,39.5 0,36.1 42.5,36.1 42.5,39.5
VBUS on Top GND Plane "GND-VBUS" (solid, pour order 3): 4,33.175 9.075,33.175 9.075,30.775 14.225,30.775 14.225,33.175 38.45,33.175 38.45,36.075 4,36.075
BAT- on Top Layer "Top Layer-BAT-" (solid, pour order 7): 27.2,7.95 27.2,10.475 28.555,10.475 29.705,9.325 32.725,9.325 32.725,6.24 27.11,0.625 22.65,0.625 21.925,1.35 21.925,4.481 22.822,5.331 24.584,5.334
GND on Top Layer "TopLayerGND" (solid, pour order 8): 30.35,9.925 32.815,9.925 32.815,12.525 30.35,12.525
BAT+ on Top Layer "Top Layer-BAT+" (solid, pour order 104): 4.35,15.7 4.35,16.913 5.8,16.913 5.8,19.5 4.05,19.5 4.05,17.675 3.288,16.913 2.925,16.913 2.925,15.7
3V on Top Layer "Top Layer-3V" (solid, pour order 13): 30.05,16.865 32.4,16.865 32.4,19.5 30.05,19.5
3V on Top Layer "Top Layer-3V" (solid, pour order 11): 24.965,16.865 27.315,16.865 27.315,19.5 24.965,19.5
GND on Top Layer "Top Layer-GND" (solid, pour order 100): 30.05,38.977 32.05,38.977 32.05,31.73 30.05,31.73
BAT+ on Bot Mid Layer 1 "Power-BAT+" (solid, pour order 88): 42.5,17.55 42.5,14.45 33.45,14.45 33.45,0 9.05,0 9.05,14.45 0,14.45 0,17.55
3V on Bot Mid Layer 1 "Power-3V 1" (solid, pour order 2): 21.05,14.625 21.643,15.218 26.95,15.218 27.559,14.625 30.033,14.625 31.37,15.962 31.38,17.081 32.225,17.925 32.225,18.9 30.225,18.9 30.225,18.875 28.35,17 17.675,17 16.925,16.25 9.025,16.25 4.2,21.075 0,21.075 0,17 4.8,17 7.175,14.625
no net on Bot Mid Layer 1 "Power-No Net" (solid, pour order 110): 42.5,39.5
3V on Bot Mid Layer 1 "Power-3V" (solid, pour order 10): 24.9,20.425
BAT+ on Bot Mid Layer 2 "Power-BAT+" (solid, pour order 90): 28.725,15.236 28.725,0 14.279,0 14.279,15.236
BAT+ on Bot Mid Layer 2 "Power-BAT+" (solid, pour order 21): -0.017,17.55 -0.017,14.45 10.933,14.45 10.933,17.55
BAT+ on Bot Mid Layer 2 "Power-BAT+" (solid, pour order 20): 42.5,17.55 42.5,14.45 31.55,14.45 31.55,17.55
BAT- on Top Mid Layer 2 "POWER-BAT-" (solid, pour order 1): 6.89,6.55 6.89,2.961 6.9,2.951 10.974,2.951 19.007,4.288 19.315,5.05 30.352,5.05 31.591,2.953 35.649,2.969 35.649,6.547 42.502,6.547 42.5,0 0,0 -0.008,6.547
3V on Top Mid Layer 2 "Layer 2-3V" (solid, pour order 18): 24.95,19.675 24.95,17.25 32.4,17.25 32.4,17.825 42.5,17.825 42.5,21.429 37.65,21.429 37.65,20.975 34.425,20.975 34.425,20.675 29.6,20.675 29.6,20.225 28.65,20.225 28.1,19.675
BAT+ on Top Mid Layer 2 "Power-BAT+" (solid, pour order 4): 42.5,17.55 42.5,14.45 33.45,14.45 33.45,0 9.05,0 9.05,14.45 0,14.45 0,17.55
BAT- on Bot Mid Layer 3 "POWER-BAT-" (solid, pour order 0): 6.89,6.55 6.89,2.961 6.9,2.951 10.974,2.951 19.007,4.288 19.317,5.057 30.348,5.057 31.591,2.953 35.649,2.969 35.649,6.547 42.502,6.547 42.5,0 0,0 -0.008,6.547
3V on Bot Mid Layer 3 "Layer 1-3V 1" (solid, pour order 27): 0,32.375 6.275,32.375 7.45,33.55 19.307,33.55 20.382,32.475 23.209,32.475 25.438,30.245 37.087,30.245 42.5,35.658 42.5,39.472 0,39.555
3V on Bot Mid Layer 3 "Layer 1-3V" (solid, pour order 19): 24.95,19.675 24.95,17.25 32.4,17.25 32.4,17.825 42.5,17.825 42.5,21.429 37.65,21.429 37.65,20.975 33.775,20.975 33.775,20.675 29.6,20.675 29.6,20.225 28.65,20.225 28.1,19.675
BAT+ on Bot Mid Layer 3 "Power-BAT+" (solid, pour order 15): 42.5,17.55 42.5,14.45 33.45,14.45 33.45,0 9.05,0 9.05,14.45 0,14.45 0,17.55
BAT- on Top Mid Layer 1 "POWER-BAT-" (solid, pour order 28): 6.89,6.55 6.89,2.961 6.9,2.951 10.974,2.951 19.007,4.288 20.05,6.871 21.3,9.967 27.447,9.967 30.225,5.265 31.591,2.953 35.649,2.969 35.649,6.547 42.502,6.547 42.5,0 0,0 -0.008,6.547
3V on Top Mid Layer 1 "Bot Mid Layer-VBUS" (solid, pour order 23): 3.06,33.504 3.05,33.494 3.05,32.807 2.339,32.814 1.835,32.31 -0.016,32.31 -0.017,18.854 4.433,18.854 4.433,31.425 4.875,31.425 4.875,32.05 6.008,32.05 6.008,33.504
3V on Top Mid Layer 1 "Bot Mid Layer-VBUS" (solid, pour order 17): 37.608,31.425 37.608,32.05 36.475,32.05 36.475,33.504 42.5,33.504 42.5,18.854 38.05,18.854 38.05,31.425
VBUS on Top Mid Layer 1 "Bot Mid Layer-VBUS" (solid, pour order 12): 27.425,17.3 29.625,17.3 29.625,35.975 27.425,35.975
3V on Top Mid Layer 1 "Bot Mid Layer-VBUS" (solid, pour order 16): 29.6,36.281 27.45,36.281 27.45,39.5 29.6,39.5 32.95,39.5 32.95,18.075 29.6,18.075
BAT+ on Top Mid Layer 1 "Top Mid Layer-BAT+" (solid, pour order 106): 42.5,18.125 40.125,18.125 40.125,15.75 42.5,15.75
BAT+ on Bottom Layer "Power-BAT+" (solid, pour order 92): 27.675,15.236 27.675,5.125 19.125,5.125 19.125,15.236
3V on Bottom Layer "Bottom Layer-3V" (solid, pour order 22): 20.45,14.6 21.15,15.3 28.575,15.3 29.975,16.7 32.5,16.7 32.5,18.975 27.875,18.975 26.6,17.7 15.05,17.7 15.05,15.875 16.325,14.6
BAT+ on Bottom Layer "Power-BAT+" (solid, pour order 26): 42.5,16.95 42.5,14.6 36.758,14.6 36.758,16.95
BAT+ on Bottom Layer "Power-BAT+" (solid, pour order 24): -0.017,16.95 -0.017,14.6 5.725,14.6 5.725,16.95
GND on Mid GND Plane "Mid GND Plane-GND" (solid, pour order 114): 0,39.5 42.5,39.5 42.5,0 0,0
GND on Bot GND Plane "Bot GND Plane-GND" (solid, pour order 116): 0,39.5 42.5,39.5 42.5,0 0,0

## Keep-outs
Keep-Out Layer:
  the board outline again, w0.5

## Other copper
Bot Mid Layer 1:
  region net I2C1.SCL_1: 12.225,25.175
  region net I2C1.SCL_1: 12.2,25.275

## Silkscreen, mask and mechanical layers (free items; w line width, h text height)
Top Overlay:
  text "w" at 36.4,35.775 h1.3
  text "u" at 6.41,34.7 h2.3 r90
  text "USER" at 22.275,30.425 h1.5 r90
  text "C" at 6.89,27.38 h1.2 r90
  text "G" at 6.89,26.1 h1.2 r90
  text "D" at 6.89,24.82 h1.2 r90
  text "e" at 14,24.38 h4.8
  text "Reset uC" at 18.175,16.675 h1.5
  text "MOTOR 1" at 0.267,15.2 h1.3 r270
  text "IN 2S-5S" at 21.325,10.55 h1.5
  text "BOOT0 uC" at 8.175,10.425 h1.2
  text "MOTOR 2" at 42.233,9.87 h1.3 r90
  text "b" at 18.85,8.15 h3
  text "MOTOR 4" at 0.267,7.58 h1.3 r270
  text "+" at 30.275,6.425 h4 r90
  text "Bypass PROG" at 18.55,6.35 h1.3 r90
  text "BOOT0 PROG" at 7.3,5.65 h1.2
  text "p" at 30.625,4.35 h3.22
  text "MOTOR 3" at 42.233,2.25 h1.3 r90
  text "_" at 29.625,1.175 h4 r90
Bottom Overlay:
  text "e" at 32.7,34.31 h4.8
  text "Ý" at 14.8,33 h2 r270
  text "Coreboard" at 27.12,21.6 h2
  text "E" at 29.3,17.7 h1.7
  text "Ý" at 14.325,16.325 h2 r270
  text "MOBOTS | Eliot Ferragni" at 32.14,16.08 h1.6
  text "Rev 1.1" at 11.94,15.71 h1.8

## Dimensions
42.5,0 to 42.5,39.5 on Outline
0,0 to 42.5,0 on Outline